# Altium PCB PCB.PcbDoc (part 3 of 3)
Units mm, origin at the board's own origin, x right, y up, seen from the top; angles counter-clockwise.
Board outline 120 x 68 mm, 2 copper layers (Layer 1, Layer 2), stack 1.465 mm thick; 46 components, 6 nets, 90 pads, 3810 vias.
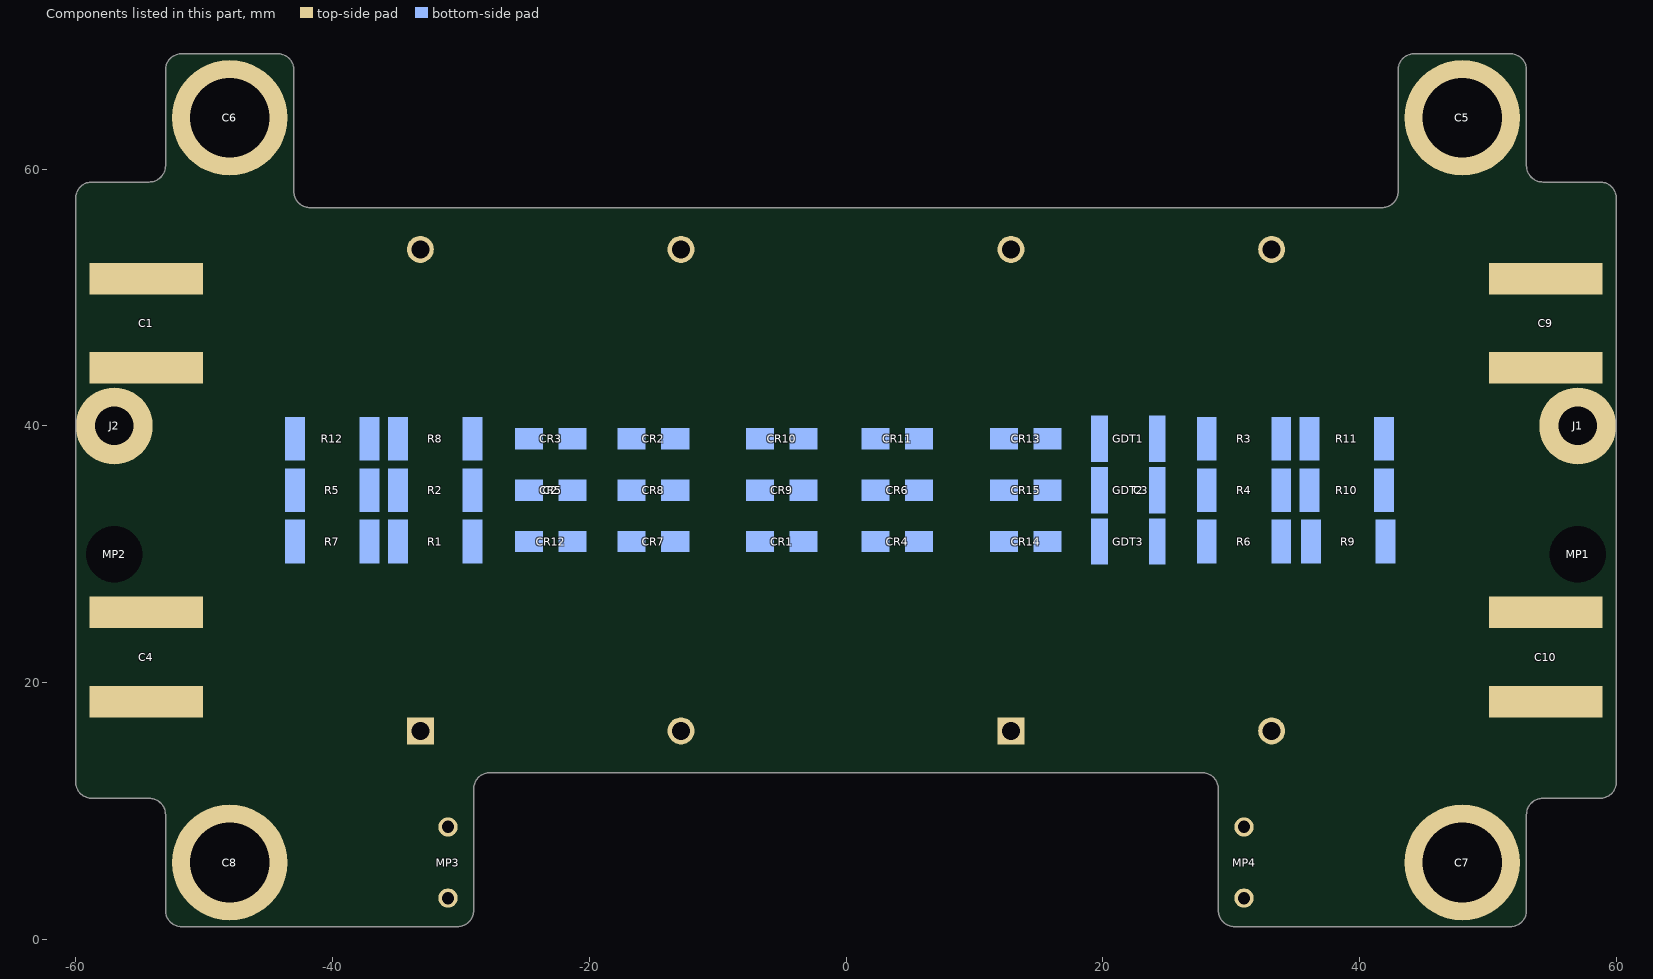
[diagram p3: the components of this part, seen from the top]

## Polygon pours and split planes (outlines as drawn) (continued)
HV+ on Layer 2 "NONET_L01_P-001" (solid, pour order 28): 43,57 cw(c42,57) 42,56 -42,56 cw(c-42,57) -43,57 -43,68 ccw(c-44,68) -44,69 -52,69 ccw(c-52,68) -53,68 -53,59 cw(c-54,59) -54,58 -58,58 ccw(c-58,57) -59,57 -59,50 59,50 59,57 ccw(c58,57) 58,58 54,58 cw(c54,59) 53,59 53,68 ccw(c52,68) 52,69 44,69 ccw(c44,68) 43,68
GNDL on Layer 2 "NONET_L01_P-001" (solid, pour order 22): 60,46 50,46 49,45 49,25 50,24 60,24
HV- on Layer 2 "NONET_L01_P-001" (solid, pour order 16): 32,29 32,41 cw(c33,41) 33,42 37,42 cw(c37,41) 38,41 38,29 ccw(c40,29) 40,27 45,27 45,23 48,20 -48,20 -45,23 -45,27 -41,27 ccw(c-41,29) -39,29 -39,41 cw(c-38,41) -38,42 -34,42 cw(c-34,41) -33,41 -33,29 ccw(c-31,29) -31,27 -24,27 ccw(c-24,29) -22,29 -22,41 cw(c-21,41) -21,42 -17,42 cw(c-17,41) -16,41 -16,29 ccw(c-14,29) -14,27 -6,27 ccw(c-6,29) -4,29 -4,41 cw(c-3,41) -3,42 2,42 cw(c2,41) 3,41 3,29 ccw(c5,29) 5,27 13,27 ccw(c13,29) 15,29 15,41 cw(c16,41) 16,42 20,42 cw(c20,41) 21,41 21,29 ccw(c23,29) 23,27 30,27 ccw(c30,29)
HV+ on Layer 2 "NONET_L01_P-001" (solid, pour order 15): -48,50 -45,47 -45,29 -42,29 ccw(c-42,30) -41,30 -41,42 cw(c-39,42) -39,44 -33,44 cw(c-33,42) -31,42 -31,30 ccw(c-30,30) -30,29 -25,29 ccw(c-25,30) -24,30 -24,42 cw(c-22,42) -22,44 -16,44 cw(c-16,42) -14,42 -14,30 ccw(c-13,30) -13,29 -7,29 ccw(c-7,30) -6,30 -6,42 cw(c-4,42) -4,44 3,44 cw(c3,42) 5,42 5,30 ccw(c6,30) 6,29 12,29 ccw(c12,30) 13,30 13,42 cw(c15,42) 15,44 21,44 cw(c21,42) 23,42 23,30 ccw(c24,30) 24,29 29,29 ccw(c29,30) 30,30 30,42 cw(c32,42) 32,44 38,44 cw(c38,42) 40,42 40,30 ccw(c41,30) 41,29 45,29 45,47 48,50
GNDR on Layer 2 "NONET_L01_P-001" (solid, pour order 11): -60,46 -50,46 -49,45 -49,25 -50,24 -60,24
no net on Top Solder "NONET_L01_P-001" (solid): -60,45.8 -54,45.8 -54,24.2 -60,24.2
no net on Top Solder "NONET_L01_P-001" (solid): 60,45.8 54,45.8 54,24.2 60,24.2
no net on Top Solder "NONET_L01_P-001" (solid): 29,10 34,10 34,1 30,1 cw(c30,2) 29,2
no net on Top Solder "NONET_L01_P-001" (solid): -29,10 -34,10 -34,1 -30,1 ccw(c-30,2) -29,2
no net on Top Solder "NONET_L01_P-001" (solid): 53,59.5 cw(c52,59.5) 52,58.5 44,58.5 cw(c44,59.5) 43,59.5 43,68 cw(c44,68) 44,69 52,69 cw(c52,68) 53,68
no net on Top Solder "NONET_L01_P-001" (solid): -43,59.5 cw(c-44,59.5) -44,58.5 -52,58.5 cw(c-52,59.5) -53,59.5 -53,68 cw(c-52,68) -52,69 -44,69 cw(c-44,68) -43,68
no net on Top Solder "NONET_L01_P-001" (solid): -53,10.5 cw(c-52,10.5) -52,11.5 -44,11.5 cw(c-44,10.5) -43,10.5 -43,2 cw(c-44,2) -44,1 -52,1 cw(c-52,2) -53,2
no net on Top Solder "NONET_L01_P-001" (solid): 43,10.5 cw(c44,10.5) 44,11.5 52,11.5 cw(c52,10.5) 53,10.5 53,2 cw(c52,2) 52,1 44,1 cw(c44,2) 43,2

## Silkscreen, mask and mechanical layers (free items; w line width, h text height)
Top Overlay:
  drawing of 26 lines, arcs and shapes, not listed
  text "HV+ TS" at -54.076,54.714 h3
  text "HV+ TS" at 45.924,54.714 h3
  text "4 MM" at -49,46 h4 r270
  text "DC LINK / HV TS" at -33,42.446 h5
  text "CHASSIS GLV" at -52.286,42.152 h3 r270
  text "DRIVER GLV" at 52.286,27.848 h3 r90
  text "4 MM" at 49,24 h4 r90
  text "LIONG  / MA" at -32,20.223 h5
  text "HV- TS" at -54.076,12.714 h3
  text "HV- TS" at 45.924,12.714 h3
  text "MNT GLV" at -34.759,1.962 h3 r90
  text "MNT GLV" at 34.759,1.962 h3 r270
Bottom Overlay:
  rectangle: 55,46 60,50
  rectangle: -32,10 -29,14
  region: 32,14 29,14 29,10 32,10
  region: 43,3 39,3 39,1 43,1
  rectangle: -43,1 -39,3
  rectangle: 57,20 60,24
  rectangle: -60,46 -55,50
  rectangle: -60,20 -57,24
  lines w4: -57,22 -49,22 -47,24 ; -55,48 -49,48 -47,46 ; -41,3 -41,10.73 cw(c-39.73,10.73) -39.73,12 -32,12 ; 32,12 39.73,12 cw(c39.73,10.73) 41,10.73 41,3 ; 47,24 49,22 57,22 ; 47,46 49,48 55,48
  text "HV+ /  TS" at 59.143,58.038 h3 r90
  text "HV+ /  TS" at -59.143,51.962 h3 r270
  text "4 MM" at 49,46 h4 r90
  text "DRIVER GLV" at 52.286,42.152 h3 r90
  text "CHASSIS GLV" at -52.286,27.848 h3 r270
  text "4 MM" at -49,24 h4 r270
  text "HV- /  TS" at 59.143,18.038 h3 r90
  text "HV- /  TS" at -59.143,11.962 h3 r270
  text "MNT GLV" at -34.759,1.962 h3 r90
  text "MNT GLV" at 34.759,1.962 h3 r270
Bottom Solder:
  lines w1.2: -43,22 -40,19 ; -43,25 -37,19 ; -43,48 -40,45 ; -43,51 -37,45 ; -40,25 -34,19 ; -40,51 -34,45 ; -37,25 -31,19 ; -37,51 -31,45 ; -34,25 -28,19 ; -34,51 -28,45 ; -31,25 -25,19 ; -31,51 -25,45 ; -28,25 -22,19 ; -28,51 -22,45 ; -25,25 -19,19 ; -25,51 -19,45 ; -22,25 -16,19 ; -22,51 -16,45 ; -19,25 -13,19 ; -19,51 -13,45 ; -16,25 -10,19 ; -16,51 -10,45 ; -13,25 -7,19 ; -13,51 -7,45 ; -10,25 -4,19 ; -10,51 -4,45 ; -7,25 -1,19 ; -7,51 -1,45 ; -4,25 2,19 ; -4,51 2,45 ; -1,25 5,19 ; -1,51 5,45 ; 2,25 8,19 ; 2,51 8,45 ; 5,25 11,19 ; 5,51 11,45 ; 8,25 14,19 ; 8,51 14,45 ; 11,25 17,19 ; 11,51 17,45 ; 14,25 20,19 ; 14,51 20,45 ; 17,25 23,19 ; 17,51 23,45 ; 20,25 26,19 ; 20,51 26,45 ; 23,25 29,19 ; 23,51 29,45 ; 26,25 32,19 ; 26,51 32,45 ; 29,25 35,19 ; 29,51 35,45 ; 32,25 38,19 ; 32,51 38,45 ; 35,25 41,19 ; 35,51 41,45 ; 38,25 44,19 ; 38,51 44,45 ; 41,25 44,22 ; 41,51 44,48 ; -43,19 -43,19 ; -43,45 -43,45 ; 44,25 44,25 ; 44,51 44,51
Board Outline:
  lines w0.25: -60,12.27 ccw(c-58.73,12.27) -58.73,11 -54.27,11 cw(c-54.27,9.73) -53,9.73 -53,4 -53,2.27 ccw(c-51.73,2.27) -51.73,1 -40,1 -30.27,1 ccw(c-30.27,2.27) -29,2.27 -29,11.73 cw(c-27.73,11.73) -27.73,13 27.73,13 cw(c27.73,11.73) 29,11.73 29,2.27 ccw(c30.27,2.27) 30.27,1 38,1 51.73,1 ccw(c51.73,2.27) 53,2.27 53,6 53,9.73 cw(c54.27,9.73) 54.27,11 58.73,11 ccw(c58.73,12.27) 60,12.27 60,42 60,57.73 ccw(c58.73,57.73) 58.73,59 54.27,59 cw(c54.27,60.27) 53,60.27 53,67.73 ccw(c51.73,67.73) 51.73,69 44.27,69 ccw(c44.27,67.73) 43,67.73 43,58.27 cw(c41.73,58.27) 41.73,57 -41.73,57 cw(c-41.73,58.27) -43,58.27 -43,67.73 ccw(c-44.27,67.73) -44.27,69 -51.73,69 ccw(c-51.73,67.73) -53,67.73 -53,60.27 cw(c-54.27,60.27) -54.27,59 -58.73,59 ccw(c-58.73,57.73) -60,57.73 -60,12.27